# Altium PCB Fastino-DIOT.PCBDOC (part 15 of 22)
Units mm, origin at the board's own origin, x right, y up, seen from the top; angles counter-clockwise.
Board outline 222.63 x 100.1 mm, 8 copper layers (L1, L2, L3, P4, L5, L6, P7, L8), stack 1.563 mm thick; 1030 components, 787 nets, 3312 pads, 2498 vias.
Unrouted connection lines stored in the file: 424.
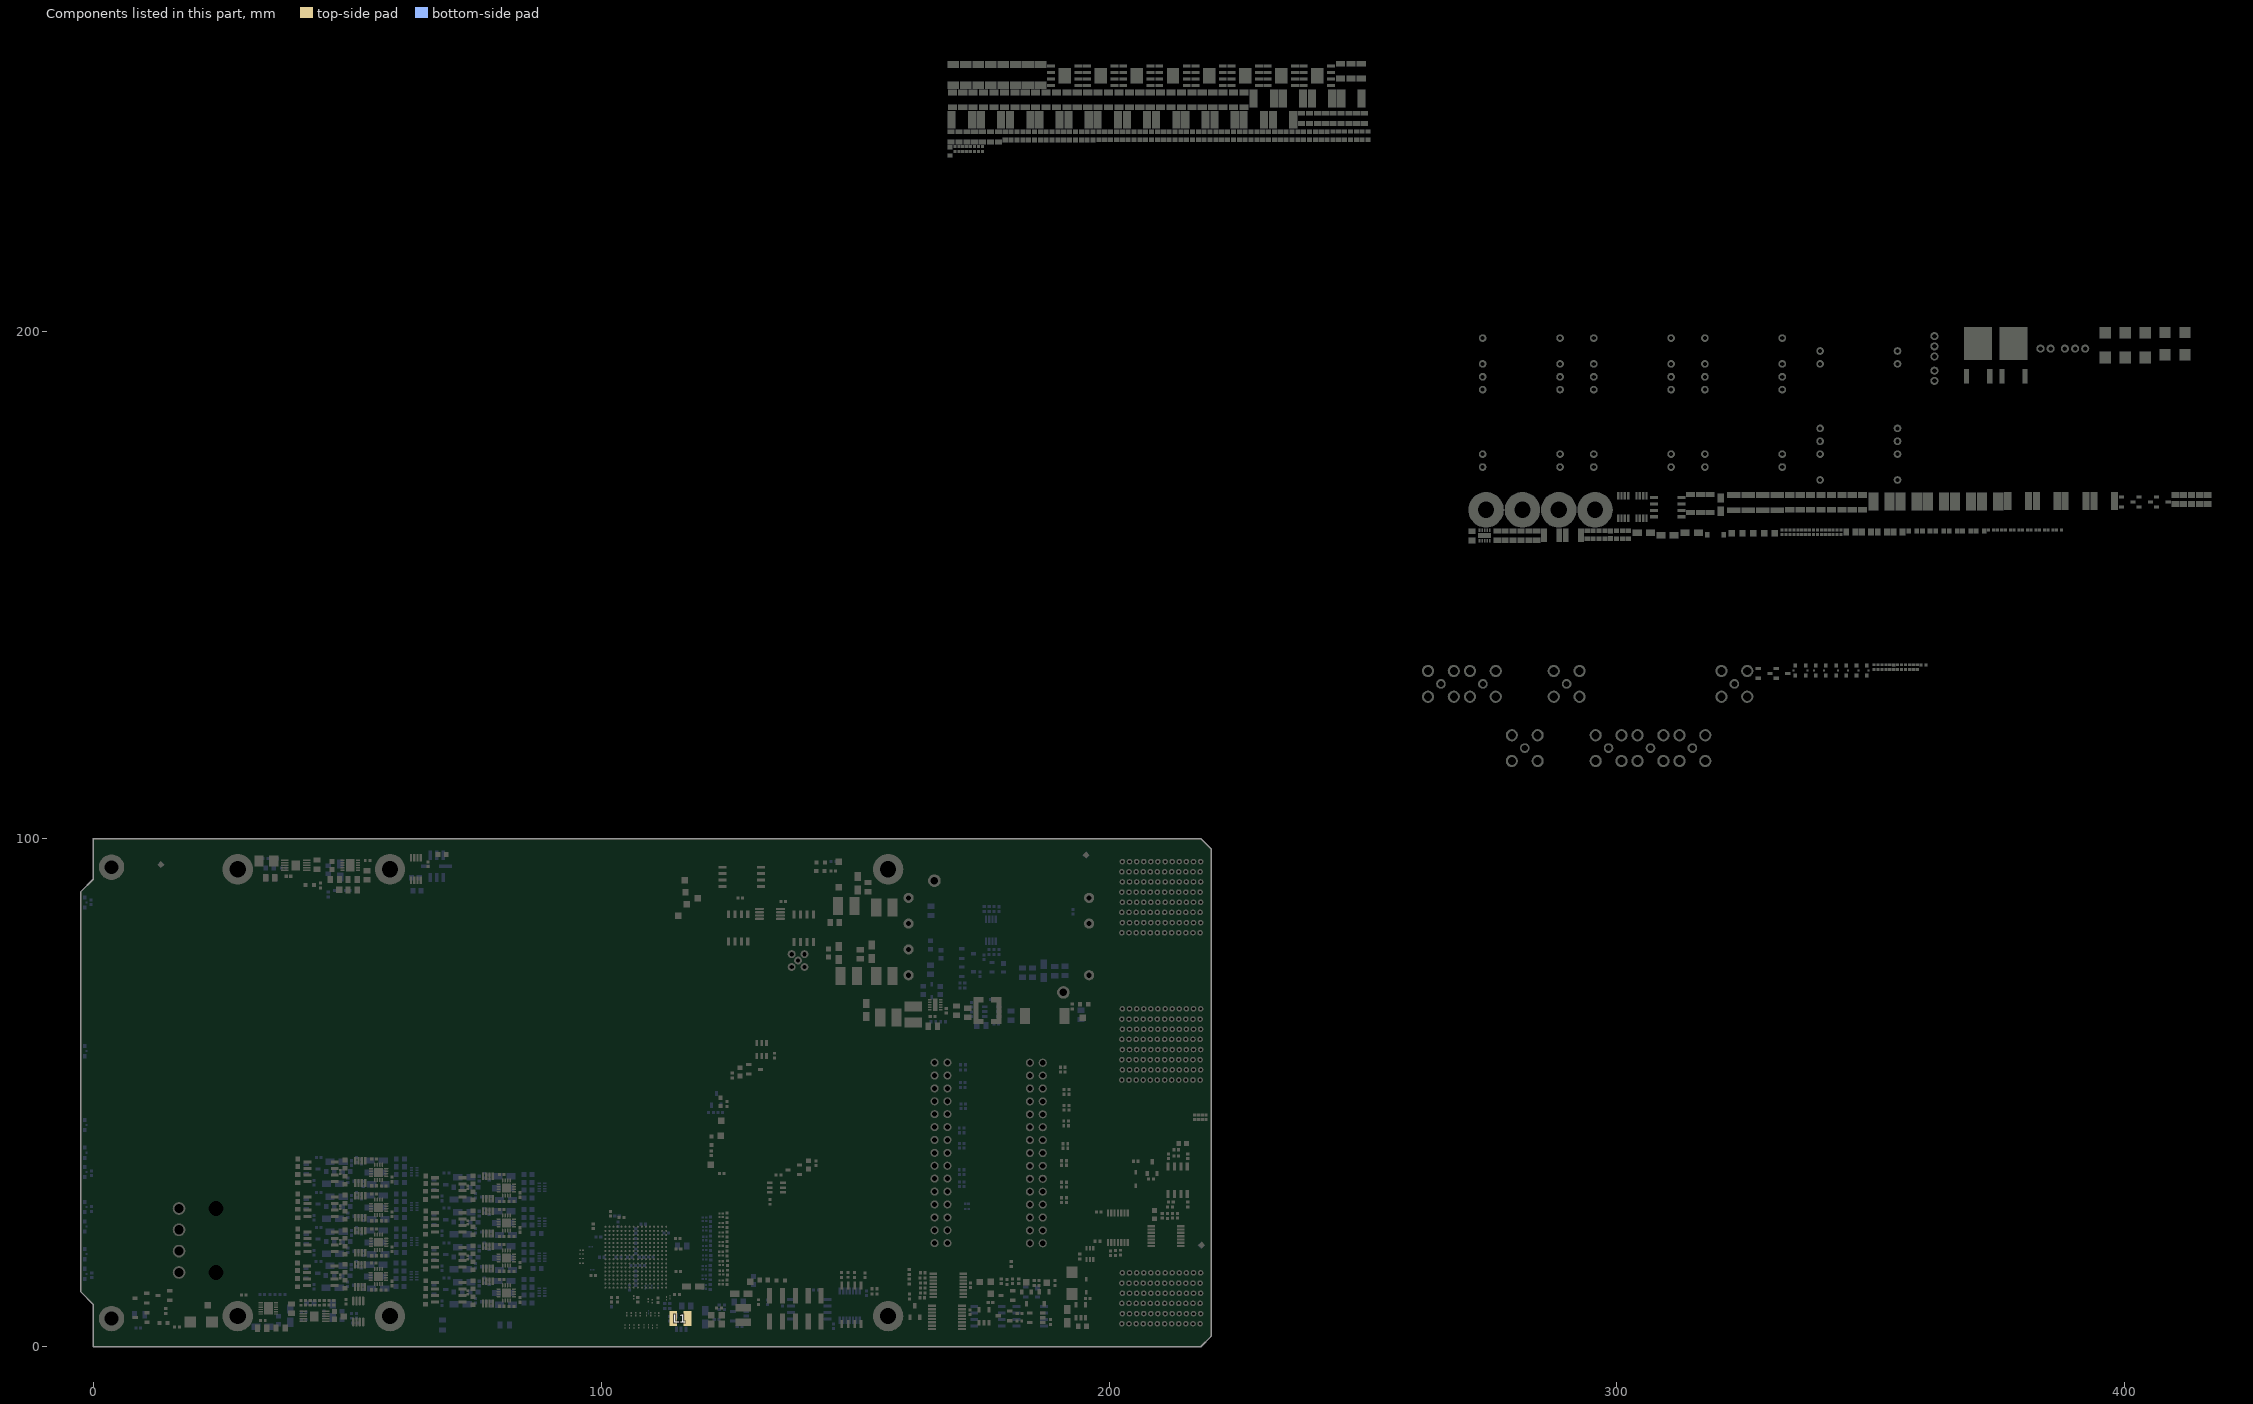
[diagram p21: the components of this part, seen from the top]

## Via types
v1: diameter 0.4, hole 0.2, L1 to L8, tented both sides, 1919 vias
v2: diameter 0.5, hole 0.2, L1 to L8, tented both sides, 270 vias
v3: diameter 0.4, hole 0.2, L1 to L8, 170 vias
v4: diameter 0.7, hole 0.4, L1 to L8, tented both sides, 110 vias
v5: diameter 0.7, hole 0.4, L1 to L8, 29 vias

## Nets (pads, with @x,y where several pads share a name; then routed paths per layer and width w, separated by ;. In a path a pad name is that pad's centre, name@x,y a point inside that pad or via, vN(x,y) a via of type N, cw(c..) or ccw(c..) an arc to the next point about the centre after c; other vN are vias at no path point) (continued)
copper on no net: (continued)
  L1 w0.127: 106.681,63.129 106.565,63.129 106.006,63.688 105.323,63.688 105.197,63.814 103.834,63.814 103.469,63.448 103.469,63.379 103.234,63.144 ; 106.681,70.015 106.565,70.015 106.006,70.574 105.323,70.574 105.197,70.7 103.834,70.7 103.469,70.335 103.469,70.265 103.234,70.031 ; 106.681,76.902 106.565,76.902 106.006,77.461 105.323,77.461 105.197,77.587 103.834,77.587 103.469,77.221 103.469,77.152 103.234,76.917 ; 106.681,83.789 106.565,83.789 106.006,84.347 105.323,84.347 105.197,84.473 103.834,84.473 103.469,84.108 103.469,84.038 103.234,83.804 ; 106.681,90.675 106.565,90.675 106.006,91.234 105.323,91.234 105.197,91.36 103.834,91.36 103.469,90.994 103.469,90.925 103.234,90.69 ; 106.91,34.468 107.974,35.532 v1(109.374,35.532) ; 106.91,41.354 107.974,42.418 v1(109.374,42.418) ; 106.91,48.241 107.974,49.305 v1(109.374,49.305) 115.22,49.305 120.447,44.078 120.447,31.623 ; 106.91,55.128 107.974,56.191 v1(109.374,56.191) ; 106.91,62.014 107.974,63.078 v1(109.374,63.078) ; 106.91,68.901 107.974,69.965 v1(109.374,69.965) ; 106.91,75.787 107.974,76.851 v1(109.374,76.851) ; 106.91,82.674 107.974,83.738 v1(109.374,83.738) ; 107.05,27.05 107.43,27.43 110.654,27.43 110.813,27.271 111.962,27.271 111.997,27.235 112.321,27.235 112.55,27.464 112.55,27.7 113.035,28.185 113.035,28.885 113.171,29.021 113.171,35.919 113.708,36.456 114.058,36.456 114.291,36.688 114.291,37.613 114.025,37.879 v1(114.025,37.9) ; 107.15,26.475 107.851,27.176 110.549,27.176 110.708,27.017 111.856,27.017 111.892,26.981 112.426,26.981 112.462,27.017 112.971,27.017 113.066,27.112 113.102,27.112 113.331,27.341 113.331,27.377 114.592,28.638 114.592,29.683 114.275,30 114.275,30.475 114.827,31.027 114.827,32.696 115.59,33.459 115.59,33.578 115.815,33.802 v1(115.815,33.876) ; 107.29,84.734 107.251,84.696 107.238,84.696 ; 107.726,71.43 107.726,71.41 ; 107.726,78.317 107.726,78.297 ; 107.726,85.204 107.726,85.184 ; 108.053,34.287 v1(109.374,34.287) ; 108.053,41.174 v1(109.374,41.174) ; 108.053,48.06 v1@109.344,48.06 ; 108.053,54.947 v1(109.374,54.947) ; 108.053,61.833 v1(109.374,61.833) ; 108.053,68.72 v1(109.374,68.72) ; 108.053,75.607 v1(109.374,75.607) ; 108.053,82.493 v1(109.374,82.493) ; 108.075,25.35 108.125,25.35 108.41,25.635 108.41,25.906 108.639,26.134 108.879,26.134 108.88,26.136 110.868,26.136 110.887,26.155 113.18,26.155 113.183,26.158 113.51,26.158 114.952,27.6 115.991,27.6 116.192,27.801 v1(116.781,27.801) ; 108.435,52.591 108.515,52.671 108.685,52.671 ; 108.435,59.478 108.515,59.558 108.685,59.558 ; 108.435,66.365 108.515,66.445 108.685,66.445 ; 108.435,73.251 108.515,73.331 108.685,73.331 ; 108.435,80.138 108.515,80.218 108.685,80.218 ; 108.435,87.024 108.515,87.104 108.685,87.104 ; 108.483,30.314 108.73,30.314 ; 108.483,37.201 108.73,37.201 ; 108.483,44.087 108.73,44.087 ; 108.483,50.974 108.73,50.974 ; 108.483,57.86 108.73,57.86 ; 108.483,64.747 108.73,64.747 ; 108.483,71.634 108.73,71.634 ; 108.483,78.52 108.73,78.52 ; 108.483,85.407 108.73,85.407 ; 108.612,33.5 108.657,33.545 v1@109.218,33.545 ; 108.612,40.386 108.657,40.431 v1@109.218,40.431 ; 108.612,47.273 108.657,47.318 v1@109.218,47.318 ; 108.612,54.159 108.657,54.204 v1@109.218,54.204 ; 108.612,61.046 108.657,61.091 v1@109.218,61.091 ; 108.612,67.933 108.657,67.978 v1@109.218,67.978 ; 108.612,74.819 108.657,74.864 v1@109.218,74.864 ; 108.612,81.706 108.657,81.751 v1@109.218,81.751 ; 108.625,26.45 108.685,26.39 110.737,26.39 110.756,26.409 112.739,26.409 112.742,26.412 113.084,26.412 113.276,26.604 113.312,26.604 113.839,27.13 113.839,27.166 114.526,27.854 115.886,27.854 116.824,28.793 116.824,29.822 117.706,30.704 117.706,32.629 118.24,33.163 118.24,33.166 118.469,33.395 118.472,33.395 118.653,33.576 118.653,42.383 113.636,47.4 v1(109.374,47.4) ; 108.685,33.512 108.718,33.479 ; 108.685,40.398 108.718,40.365 ; 108.685,47.285 108.718,47.252 ; 108.685,54.171 108.718,54.138 ; 108.685,61.058 108.718,61.025 ; 108.685,67.945 108.718,67.911 ; 108.685,74.831 108.718,74.798 ; 108.685,81.718 108.718,81.685 ; 108.764,32.534 109.005,32.534 v1@109.181,32.711 ; 108.764,39.421 109.005,39.421 109.181,39.597 109.321,39.597 v1(109.374,39.65) ; 108.764,46.308 109.005,46.308 v1@109.181,46.484 ; 108.764,53.194 109.005,53.194 v1@109.181,53.371 ; 108.764,60.081 109.005,60.081 109.181,60.257 109.321,60.257 v1(109.374,60.309) ; 108.764,66.967 109.005,66.967 v1@109.181,67.144 ; 108.764,73.854 109.005,73.854 109.181,74.03 109.321,74.03 v1(109.374,74.083) ; 108.764,80.741 109.005,80.741 v1@109.181,80.917 ; v1@109.322,48.082 v1@109.344,48.06 ; v1@109.372,42.393 109.398,42.418 113.614,42.418 v1@117.716,38.316 ; v1(109.374,46.536) 112.519,46.536 118.262,40.792 v1(118.262,36.225) ; v1@109.398,39.599 v1@109.449,39.65 ; v1@109.423,33.577 v1@109.423,33.63 ; v1@109.423,40.437 109.5,40.513 112.649,40.513 116.19,36.972 116.19,34.053 116.205,34.038 116.205,33.714 116.19,33.7 116.19,32.266 115.882,31.957 115.882,31.805 115.83,31.753 115.83,31.673 115.601,31.444 115.369,31.444 115.103,31.178 115.103,30.053 114.909,29.859 114.909,28.596 113.585,27.271 113.585,27.236 113.207,26.858 113.171,26.858 113.076,26.763 112.567,26.763 112.531,26.727 111.787,26.727 111.751,26.763 110.174,26.763 v1(110.156,26.781) ; v1@109.463,35.442 v1@109.463,35.447 ; v1@109.499,41.148 109.499,41.173 113.208,41.174 117,37.381 117,32.578 116.936,32.515 116.936,32.126 v1(116.89,32.08) ; v1@109.68,30.326 v1(109.794,30.212) ; 109.695,30.697 109.695,30.964 ; v1(109.695,37.226) 109.695,37.85 ; v1(109.695,44.113) 109.695,44.737 ; v1(109.695,50.999) 109.695,51.623 ; v1(109.695,57.886) 109.695,58.51 ; v1(109.695,64.772) 109.695,65.396 ; v1(109.695,71.659) 109.695,72.283 ; v1(109.695,78.546) 109.695,79.17 ; v1(109.695,85.432) 109.695,86.056 ; 110.25,25.8 110.891,25.8 110.978,25.887 113.271,25.887 113.288,25.904 113.808,25.904 v1(114.906,27.001) ; 110.6,25.2 110.65,25.2 110.662,25.212 111.083,25.633 113.376,25.633 113.393,25.65 114.107,25.65 115.296,26.84 115.296,26.943 115.456,27.102 v1(115.456,27.176) ; v1(112.159,27.626) 112.159,27.697 112.781,28.319 112.781,29.606 112.917,29.742 112.917,36.025 113.69,36.798 113.848,36.798 v1(113.9,36.85) ; v1(112.94,27.503) 112.94,27.538 113.486,28.085 113.587,28.085 114.338,28.836 114.338,29.578 114.021,29.895 114.021,35.044 v1(114.381,35.403) ; v1(113.425,28.475) 113.557,28.607 113.557,35.753 v1(113.869,36.066) ; v1(114.436,31.189) 114.436,34.532 v1(115.181,35.277) ; 118.025,27.65 118.025,28.173 118.095,28.244 118.095,29.302 118.09,29.307 118.09,29.709 118.334,29.953 118.334,32.705 118.631,33.002 v1(118.631,33.004) ; 118.775,27.925 118.775,28.238 118.871,28.334 118.871,32.129 v1(118.825,32.175) ; v1(119.25,38.425) 119.25,30.305 119.671,29.884 119.671,29.375 119.575,29.279 119.575,28.6 119.623,28.552 119.623,28.269 119.742,28.15 119.742,27.867 119.575,27.7 119.575,27.4 ; 119.659,31.674 119.675,31.69 119.675,43.418 115.033,48.06 v1(109.374,48.06) v1@109.344,48.06 ; 55.252,38.126 55.342,38.036 ; 55.252,38.126 55.342,38.036 ; 55.278,45.058 55.368,44.968 ; 55.278,45.058 55.368,44.968 ; 55.278,51.945 55.368,51.855 ; 55.278,51.945 55.368,51.855 ; 55.278,58.831 55.368,58.742 ; 55.278,58.831 55.368,58.742 ; 55.278,65.718 55.368,65.628 ; 55.278,65.718 55.368,65.628 ; 55.278,72.605 55.368,72.515 ; 55.278,72.605 55.368,72.515 ; 55.278,79.491 55.368,79.401 ; 55.278,79.491 55.368,79.401 ; 55.342,38.036 56.212,38.036 ; 55.368,44.968 56.238,44.968 ; 55.368,51.855 56.238,51.855 ; 55.368,58.742 56.238,58.742 ; 55.368,65.628 56.238,65.628 ; 55.368,72.515 56.238,72.515 ; 55.368,79.401 56.238,79.401 ; 56.212,38.036 56.7,38.524 ; 56.212,38.036 56.7,38.524 ; 56.238,44.968 56.726,45.456 ; 56.238,44.968 56.726,45.456 ; 56.238,51.855 56.726,52.343 ; 56.238,51.855 56.726,52.343 ; 56.238,58.742 56.726,59.23 ; 56.238,58.742 56.726,59.23 ; 56.238,65.628 56.726,66.116 ; 56.238,65.628 56.726,66.116 ; 56.238,72.515 56.726,73.003 ; 56.238,72.515 56.726,73.003 ; 56.238,79.401 56.726,79.889 ; 56.238,79.401 56.726,79.889 ; 80.403,35.053 80.493,34.963 ; 80.403,35.053 80.493,34.963 ; 80.403,35.053 80.493,34.963 ; 80.403,41.94 80.493,41.85 ; 80.403,41.94 80.493,41.85 ; 80.403,41.94 80.493,41.85 ; 80.403,48.826 80.493,48.736 ; 80.403,48.826 80.493,48.736 ; 80.403,48.826 80.493,48.736 ; 80.403,55.713 80.493,55.623 ; 80.403,55.713 80.493,55.623 ; 80.403,55.713 80.493,55.623 ; 80.403,62.599 80.493,62.51 ; 80.403,62.599 80.493,62.51 ; 80.403,62.599 80.493,62.51 ; 80.403,69.469 80.492,69.379 ; 80.403,69.469 80.492,69.379 ; 80.403,69.469 80.492,69.379 ; 80.403,76.355 80.492,76.265 ; 80.403,76.355 80.492,76.265 ; 80.403,76.355 80.492,76.265 ; 80.403,83.242 80.492,83.152 ; 80.403,83.242 80.492,83.152 ; 80.493,34.963 81.363,34.963 ; 80.493,41.85 81.363,41.85 ; 80.493,48.736 81.363,48.736 ; 80.493,55.623 81.363,55.623 ; 80.493,62.51 81.363,62.51 ; 80.492,69.379 81.363,69.379 ; 80.492,76.265 81.363,76.265 ; 80.492,83.152 81.363,83.152 ; 81.363,34.963 81.851,35.451 ; 81.363,34.963 81.851,35.451 ; 81.363,34.963 81.851,35.451 ; 81.363,41.85 81.851,42.338 ; 81.363,41.85 81.851,42.338 ; 81.363,41.85 81.851,42.338 ; 81.363,48.736 81.851,49.224 ; 81.363,48.736 81.851,49.224 ; 81.363,48.736 81.851,49.224 ; 81.363,55.623 81.851,56.111 ; 81.363,55.623 81.851,56.111 ; 81.363,55.623 81.851,56.111 ; 81.363,62.51 81.851,62.998 ; 81.363,62.51 81.851,62.998 ; 81.363,62.51 81.851,62.998 ; 81.363,69.379 81.851,69.867 ; 81.363,69.379 81.851,69.867 ; 81.363,69.379 81.851,69.867 ; 81.363,76.265 81.851,76.753 ; 81.363,76.265 81.851,76.753 ; 81.363,76.265 81.851,76.753 ; 81.363,83.152 81.851,83.64 ; 81.363,83.152 81.851,83.64 ; 106.278,71.012 106.368,70.922 ; 106.278,71.012 106.368,70.922 ; 106.278,77.899 106.368,77.809 ; 106.278,77.899 106.368,77.809 ; 106.278,84.785 106.368,84.696 ; 106.278,84.785 106.368,84.696 ; 106.368,70.922 107.238,70.922 ; 106.368,77.809 107.238,77.809 ; 106.368,84.696 107.238,84.696 ; 107.238,70.922 107.726,71.41 ; 107.238,70.922 107.726,71.41 ; 107.238,77.809 107.726,78.297 ; 107.238,77.809 107.726,78.297 ; 107.238,84.696 107.726,85.184 ; 107.238,84.696 107.726,85.184
  L1 w0.152: v1(7.788,39.588) 7.855,39.588 7.943,39.5 15.6,39.5 ; v1(8.067,61.322) 8.114,61.369 8.362,61.369 8.492,61.5 18.11,61.5 ; v1(9.169,19.599) 9.236,19.599 9.336,19.5 15.6,19.5 ; v1(9.83,81.407) 10.389,81.407 10.516,81.534 10.55,81.5 18.11,81.5 ; v1(10.074,59.382) 10.566,59.382 10.579,59.369 11.48,59.369 11.61,59.5 15.6,59.5 ; v1(10.074,60.944) 10.541,60.944 10.785,60.7 12.577,60.7 12.584,60.694 12.918,60.694 12.924,60.7 18.11,60.7 ; v1(10.389,81.001) 11.153,81.001 11.252,81.1 15.6,81.1 ; v1(11.643,79.477) 11.654,79.488 15.588,79.488 15.6,79.5 ; v1(11.643,80.629) 11.655,80.642 12.089,80.642 12.148,80.7 18.11,80.7 ; v1(11.962,40.709) 11.972,40.7 18.11,40.7 ; v1(11.989,82.293) 12.008,82.312 12.417,82.312 12.449,82.344 12.791,82.344 12.834,82.3 14.259,82.3 14.286,82.274 14.62,82.274 14.646,82.3 18.11,82.3 ; v1(12.751,61.097) 12.752,61.098 15.598,61.098 15.6,61.1 ; v1(12.962,65.337) 12.915,65.385 12.915,65.571 12.679,65.808 12.679,66.82 12.814,66.956 12.814,72.936 14.158,74.28 14.158,74.985 14.426,75.252 14.687,75.252 14.776,75.342 14.776,75.348 14.928,75.5 15.6,75.5 ; 13.16,65.757 12.983,65.934 12.983,66.694 13.119,66.829 13.119,72.809 14.463,74.153 14.463,74.858 14.552,74.948 14.687,74.948 14.776,74.858 14.776,74.852 14.928,74.7 15.6,74.7 ; v1(13.494,62.756) 13.494,62.823 13.618,62.947 13.618,63.242 12.831,64.029 12.831,64.157 11.909,65.079 11.731,65.257 11.731,75.616 13.768,77.652 14.687,77.652 14.776,77.742 14.776,77.748 14.928,77.9 15.6,77.9 ; v1(14.021,62.738) 14.021,62.805 13.923,62.903 13.923,63.368 13.136,64.155 13.136,64.283 12.036,65.384 12.036,75.489 13.894,77.348 14.687,77.348 14.776,77.258 14.776,77.252 14.928,77.1 15.6,77.1 ; v1(14.097,44.87) 14.03,44.87 13.919,44.981 13.668,44.981 13.579,44.892 13.579,44.418 13.945,44.052 14.687,44.052 14.776,44.142 14.776,44.148 14.928,44.3 15.6,44.3 ; v1(14.097,45.397) 14.03,45.397 13.919,45.286 13.542,45.286 13.274,45.018 13.274,44.292 13.818,43.748 14.687,43.748 14.776,43.658 14.776,43.652 14.928,43.5 15.6,43.5 ; v1(14.199,37.236) 14.266,37.236 14.377,37.348 14.687,37.348 14.776,37.258 14.776,37.252 14.928,37.1 15.6,37.1 ; v1(14.224,83.637) 14.271,83.684 14.488,83.684 14.552,83.748 14.687,83.748 14.776,83.658 14.776,83.652 14.928,83.5 15.6,83.5 ; v1(14.224,84.163) 14.271,84.116 14.488,84.116 14.552,84.052 14.687,84.052 14.776,84.142 14.776,84.148 14.928,84.3 15.6,84.3 ; v1(14.326,57.236) 14.393,57.236 14.504,57.348 14.754,57.348 14.776,57.326 14.776,57.252 14.928,57.1 15.6,57.1 ; v1(14.326,57.763) 14.393,57.763 14.504,57.652 14.754,57.652 14.776,57.674 14.776,57.748 14.928,57.9 15.6,57.9 ; v1(14.351,63.636) 14.418,63.636 14.517,63.538 15.562,63.538 15.6,63.5 ; v1(14.351,64.163) 14.418,64.163 14.517,64.262 15.562,64.262 15.6,64.3 ; 14.377,37.652 14.687,37.652 14.776,37.742 14.776,37.748 14.928,37.9 15.6,37.9 ; 15.6,34.7 14.928,34.7 14.776,34.852 14.776,34.858 14.687,34.948 14.552,34.948 14.322,34.717 14.322,33.611 14.452,33.48 17.033,33.48 17.074,33.522 19.375,33.522 20.549,34.696 20.549,38.048 21.313,38.813 27.808,38.813 29.358,37.262 29.358,22.622 32.183,19.797 32.183,16.924 33.257,15.85 34.565,15.85 35.415,15 35.415,14.555 35.504,14.466 36.532,14.466 ; 15.6,35.5 14.928,35.5 14.776,35.348 14.776,35.342 14.687,35.252 14.426,35.252 14.017,34.844 14.017,33.485 14.326,33.176 17.123,33.176 17.164,33.217 19.501,33.217 20.853,34.569 20.853,37.922 21.439,38.508 27.681,38.508 29.054,37.136 29.054,22.495 31.878,19.671 31.878,16.798 33.131,15.545 34.439,15.545 35.11,14.874 35.11,14.555 35.021,14.466 33.992,14.466 ; 15.6,45.9 14.928,45.9 14.776,46.052 14.776,46.058 14.687,46.148 14.051,46.148 13.31,46.889 13.31,47.573 14.319,48.583 20.809,48.583 21.056,48.336 28.39,48.336 29.181,47.545 31.555,45.171 ; 15.6,46.7 14.928,46.7 14.776,46.548 14.776,46.542 14.687,46.452 14.177,46.452 13.614,47.015 13.614,47.447 14.445,48.278 20.683,48.278 20.93,48.031 28.263,48.031 31.34,44.955 31.34,40.002 32.914,38.427 34.75,38.427 34.916,38.261 34.916,38.25 33.992,37.326 ; 15.6,54.7 14.928,54.7 14.776,54.852 14.776,54.858 14.687,54.948 14.552,54.948 14.236,54.632 14.236,53.455 14.63,53.061 26.899,53.061 30.688,56.85 34.495,56.85 35.415,55.929 35.415,55.555 35.504,55.466 36.532,55.466 ; 15.6,55.5 14.928,55.5 14.776,55.348 14.776,55.342 14.687,55.252 14.426,55.252 13.932,54.758 13.932,53.328 14.021,53.239 14.504,52.756 27.026,52.756 30.815,56.545 34.077,56.545 34.369,56.545 35.11,55.803 35.11,55.555 35.021,55.466 33.992,55.466 ; 15.6,65.9 14.928,65.9 14.776,66.052 14.776,66.058 14.687,66.148 14.426,66.148 14.158,66.415 14.158,67.749 16.005,69.596 25.933,69.596 28.495,72.157 28.495,76.676 29.02,77.202 31.593,79.774 31.682,79.863 33.13,79.863 33.18,79.813 34.429,79.813 34.479,79.863 34.923,79.863 35.415,79.371 35.415,79.245 36.334,78.326 36.532,78.326 ; 15.6,66.7 14.928,66.7 14.776,66.548 14.776,66.542 14.687,66.452 14.552,66.452 14.463,66.542 14.463,67.622 16.131,69.291 26.06,69.291 28.8,72.031 28.8,76.55 31.808,79.558 33.004,79.558 33.054,79.508 34.555,79.508 34.605,79.558 34.797,79.558 35,79.355 35,79.135 34.191,78.326 33.992,78.326 ; 15.6,85.9 14.928,85.9 14.776,86.052 14.776,86.058 14.687,86.148 13.345,86.148 12.815,86.678 12.636,86.856 12.636,87.361 12.725,87.451 12.725,88.391 13.26,88.925 18.998,88.925 20.269,87.655 20.269,81.337 21.794,79.813 22.7,79.813 23.652,78.86 23.652,78.415 23.742,78.326 24.77,78.326 ; 15.6,86.7 14.928,86.7 14.776,86.548 14.776,86.542 14.687,86.452 13.471,86.452 12.941,86.983 12.941,87.235 13.03,87.324 13.03,88.265 13.386,88.621 18.872,88.621 19.126,88.367 19.964,87.528 19.964,81.211 21.667,79.508 22.573,79.508 23.348,78.734 23.348,78.415 23.258,78.326 22.23,78.326 ; 18.11,15.1 18.782,15.1 18.934,15.252 18.934,15.258 19.023,15.348 19.284,15.348 20.094,16.157 20.094,16.234 21.151,17.291 21.151,17.453 21.783,18.085 22.877,18.085 23.113,18.321 23.24,18.321 23.329,18.232 23.329,18.105 22.23,17.006 ; 18.11,35.1 18.888,35.1 19.076,35.287 19.541,35.287 v1(19.572,35.318) ; 18.11,35.9 18.148,35.862 18.96,35.862 19.132,35.69 v1(19.199,35.69) ; 18.11,37.5 18.782,37.5 18.934,37.652 18.934,37.658 19.023,37.748 19.38,37.748 19.491,37.636 v1(19.558,37.636) ; 18.11,38.3 18.782,38.3 18.934,38.148 18.934,38.142 19.023,38.052 19.38,38.052 19.491,38.163 v1(19.558,38.163) ; 18.11,43.9 18.13,43.92 19.355,43.92 19.466,43.809 v1(19.533,43.809) ; 18.11,44.7 18.758,44.7 18.85,44.609 18.85,44.449 19.073,44.225 19.355,44.225 19.466,44.336 v1(19.533,44.336) ; 18.11,46.3 18.782,46.3 18.934,46.452 18.934,46.458 19.023,46.548 19.318,46.548 19.652,46.881 19.778,46.881 v1(19.784,46.875) ; 18.11,47.1 18.782,47.1 18.934,46.948 18.934,46.942 19.023,46.852 19.192,46.852 19.436,47.097 19.436,47.169 19.686,47.419 v1(19.686,47.486) ; 18.11,55.1 18.782,55.1 18.934,55.252 18.934,55.258 19.023,55.348 19.589,55.348 20.136,55.895 v1(20.136,55.931) ; 18.11,55.9 18.782,55.9 18.934,55.748 18.934,55.742 19.023,55.652 19.462,55.652 19.462,55.76 ; 18.11,57.5 18.782,57.5 18.934,57.652 18.934,57.658 19.023,57.748 19.158,57.748 19.338,57.568 19.338,57.523 19.444,57.417 20.676,56.186 20.676,54.432 ; 18.11,58.3 18.782,58.3 18.934,58.148 18.934,58.142 19.023,58.052 19.284,58.052 19.643,57.694 19.643,57.65 20.98,56.312 20.98,54.432 ; 18.11,63.9 18.782,63.9 18.934,64.052 18.934,64.058 19.023,64.148 19.215,64.148 19.939,63.424 21.635,61.728 26.015,61.728 v1@31.214,66.927 ; 18.11,64.7 18.782,64.7 18.934,64.548 18.934,64.542 19.023,64.452 19.341,64.452 21.761,62.033 25.889,62.033 30.998,67.143 30.998,67.256 v1(31.347,67.604) ; 18.11,66.3 18.782,66.3 18.934,66.452 18.934,66.458 19.023,66.548 21.662,66.548 21.794,66.679 25.226,66.679 30.683,72.137 30.683,73.268 30.591,73.36 30.591,73.615 30.902,73.926 31.059,73.926 v1(31.107,73.973) ; 18.11,67.1 18.782,67.1 18.934,66.948 18.934,66.942 19.023,66.852 21.536,66.852 21.667,66.984 25.1,66.984 30.378,72.263 30.378,73.141 30.286,73.233 30.286,73.741 30.687,74.141 30.687,74.298 v1(30.734,74.346) ; 18.11,75.1 18.782,75.1 18.934,75.252 18.934,75.258 19.023,75.348 19.839,75.348 20.759,74.428 22.792,74.428 22.795,74.431 24.205,74.431 24.207,74.428 26.65,74.428 27.61,75.388 27.61,78.995 29.311,80.696 30.664,80.696 30.751,80.783 31.132,80.783 v1(31.18,80.831) ; 18.11,75.9 18.782,75.9 18.934,75.748 18.934,75.742 19.023,75.652 19.965,75.652 20.885,74.733 22.666,74.733 22.669,74.736 24.331,74.736 24.334,74.733 26.524,74.733 27.305,75.514 27.305,79.121 29.185,81.001 30.537,81.001 30.74,81.203 v1(30.807,81.203) ; 18.11,83.9 18.888,83.9 18.978,83.989 19.257,83.989 v1(19.304,84.036) ; 18.11,84.7 18.888,84.7 18.978,84.611 19.257,84.611 v1(19.304,84.563) ; 18.11,86.3 18.888,86.3 18.978,86.389 19.307,86.389 v1(19.355,86.436) ; 18.11,87.1 18.888,87.1 18.978,87.011 19.307,87.011 v1(19.355,86.963) ; v1(19.784,45.513) 19.851,45.513 19.963,45.624 21.418,45.624 22.24,46.445 25.107,46.445 29.972,41.581 29.972,39.65 31.975,37.648 31.975,32.078 33.029,31.024 33.268,30.785 34.439,30.785 35.11,30.114 35.11,29.795 35.021,29.706 33.992,29.706 35.046,28.653 37.212,28.653 38.856,30.297 v1(38.856,31.267) ; v1(19.784,46.04) 19.851,46.04 19.963,45.929 21.292,45.929 22.113,46.75 25.234,46.75 25.323,46.661 30.277,41.707 30.277,39.776 32.279,37.774 32.279,32.204 33.394,31.09 34.565,31.09 35.415,30.24 35.415,29.795 35.504,29.706 36.532,29.706 37.834,29.706 38.329,30.201 v1(38.329,31.267) ; v1(19.888,58.293) 19.936,58.34 20.093,58.34 20.448,58.696 20.999,58.696 21.667,59.364 25.888,59.364 31.097,64.573 34.429,64.573 34.479,64.623 34.923,64.623 35.013,64.534 35.415,64.131 35.415,64.005 36.334,63.086 ; v1(19.968,41.779) 19.968,41.314 20.348,40.935 22.435,40.935 22.548,41.048 27.227,41.048 28.219,40.056 28.219,39.295 30.505,37.009 30.505,25.8 32.864,23.441 33.141,23.165 34.439,23.165 35.11,22.494 35.11,22.175 35.021,22.086 33.992,22.086 ; v1(20.168,64.878) 20.235,64.878 20.346,64.989 20.596,64.989 20.685,64.9 20.685,64.625 20.953,64.358 21.089,64.222 26.07,64.222 29.718,67.87 29.718,69.037 32.56,71.879 35.023,71.879 35.11,71.792 35.11,71.625 34.191,70.706 33.992,70.706 ; v1(20.168,65.405) 20.235,65.405 20.346,65.294 20.722,65.294 20.99,65.026 20.99,64.752 21.216,64.526 25.944,64.526 29.413,67.996 29.413,69.163 32.434,72.184 35.149,72.184 35.238,72.095 35.415,71.918 35.415,71.625 36.334,70.706 36.532,70.706 ; v1(20.261,57.92) 20.308,57.968 20.308,58.125 20.575,58.391 21.126,58.391 21.794,59.059 26.014,59.059 31.223,64.268 34.555,64.268 34.605,64.318 34.797,64.318 34.915,64.2 34.915,63.81 34.191,63.086 ; v1(20.517,41.758) 20.517,41.691 20.385,41.559 20.385,41.329 20.474,41.24 22.309,41.24 22.422,41.353 27.353,41.353 28.524,40.182 28.524,39.421 30.81,37.135 30.81,25.927 33.267,23.47 34.565,23.47 35.415,22.62 35.415,22.175 35.504,22.086 36.532,22.086 ; 31.555,45.171 31.644,45.081 31.644,40.128 33.041,38.732 35.126,38.732 36.109,37.75 ; 33.992,17.006 35.307,18.32 35.307,19.81 36.325,20.828 37.846,20.828 38.163,21.146 38.163,23.255 38.405,23.497 38.405,25.302 38.228,25.48 38.071,25.48 v1(38.024,25.527) ; 33.992,39.866 35.092,40.965 35.092,41.092 34.913,41.27 34.913,41.837 35.046,41.97 35.046,42.842 35.001,42.887 35.001,43.306 35.638,43.943 36.046,43.943 36.096,43.893 36.969,43.893 38.1,45.024 38.1,51.384 ; 33.992,63.086 35.021,63.086 35.11,62.997 35.11,62.478 35.84,61.747 37.887,61.747 v1(37.998,61.636) ; 35.327,38.531 36.109,37.75 ; 36.532,19.546 37.509,20.523 37.972,20.523 38.379,20.93 38.468,21.019 38.468,23.129 38.71,23.371 38.71,25.429 38.444,25.695 38.444,25.852 v1(38.396,25.9) ; 36.532,37.326 36.109,37.75 ; 36.532,42.406 35.433,41.307 35.307,41.307 35.218,41.396 35.218,41.711 35.35,41.844 35.35,42.969 35.306,43.013 35.306,43.18 35.764,43.638 35.92,43.638 35.97,43.588 37.095,43.588 38.405,44.898 38.405,51.384 ; 36.532,63.086 35.504,63.086 35.415,62.997 35.415,62.604 35.966,62.052 37.887,62.052 v1(37.998,62.163) ; 40.255,59.885 40.628,60.259 40.856,60.259 41.457,60.86 43.211,60.86 43.353,61.002 43.353,62.35 43.87,62.867 44.81,62.867 44.973,62.704 v2@44.973,62.406 ; 40.255,66.771 40.628,67.145 40.856,67.145 41.457,67.747 43.211,67.747 43.353,67.889 43.353,69.237 43.87,69.754 44.81,69.754 44.973,69.591 v2@44.973,69.292 ; 40.255,73.658 40.628,74.032 40.856,74.032 41.457,74.634 43.211,74.634 43.353,74.775 43.353,76.123 43.87,76.64 44.81,76.64 44.973,76.478 v2@44.973,76.179 ; 40.538,53.365 40.545,53.372 40.856,53.372 41.457,53.974 43.211,53.974 43.353,54.116 43.353,55.464 43.87,55.98 44.81,55.98 44.973,55.818 v2@44.973,55.519 ; 40.564,80.747 40.564,80.804 41.28,81.52 43.211,81.52 43.353,81.662 43.353,83.01 43.87,83.527 44.81,83.527 44.973,83.364 44.973,83.066 v2@44.994,83.044 ; 40.589,39.548 40.594,39.553 40.823,39.553 41.425,40.155 43.185,40.155 43.327,40.296 43.327,41.644 43.844,42.161 44.784,42.161 44.946,41.999 44.946,41.7 v2@44.968,41.679 ; 40.716,46.482 40.843,46.482 41.448,47.087 43.211,47.087 43.353,47.229 43.353,48.577 43.87,49.094 44.81,49.094 44.973,48.931 v2@44.973,48.633 ; v2@44.948,41.614 v2(45.013,41.679) ; v2@44.974,55.433 v2(45.039,55.498) ; v2@44.974,62.32 v2(45.039,62.384) ; v2@44.974,69.207 v2(45.039,69.271) ; v2@44.974,76.093 v2(45.039,76.158) ; v2@44.974,82.98 v2(45.039,83.044) ; 53.42,43.203 53.359,43.142 53.359,42.595 53.347,42.582 53.068,42.303 53.068,41.922 52.636,41.49 52.636,41.156 52.991,40.8 53.076,40.8 53.936,39.94 53.936,39.448 54.841,38.544 ; 53.446,50.135 53.385,50.074 53.385,49.527 53.373,49.514 53.094,49.235 53.094,48.854 52.662,48.423 52.662,48.089 53.017,47.733 53.102,47.733 53.962,46.872 53.962,46.381 54.867,45.476 ; 53.446,57.022 53.385,56.961 53.385,56.414 53.373,56.401 53.094,56.122 53.094,55.741 52.662,55.309 52.662,54.975 53.017,54.62 53.102,54.62 53.962,53.759 53.962,53.268 54.867,52.363 ; 53.446,63.908 53.385,63.848 53.385,63.3 53.373,63.288 53.094,63.009 53.094,62.628 52.662,62.196 52.662,61.862 53.017,61.506 53.102,61.506 53.962,60.646 53.962,60.154 54.867,59.25 ; 53.446,70.795 53.385,70.734 53.385,70.187 53.373,70.174 53.094,69.895 53.094,69.514 52.662,69.082 52.662,68.748 53.017,68.393 53.102,68.393 53.962,67.532 53.962,67.041 54.867,66.136 ; 53.446,77.682 53.385,77.621 53.385,77.073 53.373,77.061 53.094,76.782 53.094,76.401 52.662,75.969 52.662,75.635 53.017,75.279 53.102,75.279 53.962,74.419 53.962,73.927 54.867,73.023 ; 53.446,84.568 53.385,84.507 53.385,83.96 53.373,83.947 53.094,83.668 53.094,83.287 52.662,82.856 52.662,82.522 53.017,82.166 53.102,82.166 53.962,81.305 53.962,80.814 54.867,79.909 ; 55.409,39.475 55.409,39.445 55.767,39.087 57.117,39.087 57.457,38.747 57.484,38.72 57.484,38.681 ; 55.435,46.408 55.435,46.377 55.793,46.02 57.143,46.02 57.483,45.68 57.51,45.653 57.51,45.614 ; 55.435,53.294 55.435,53.264 55.793,52.906 57.143,52.906 57.483,52.566 57.51,52.539 57.51,52.501 ; 55.435,60.181 55.435,60.15 55.793,59.793 57.143,59.793 57.483,59.453 57.51,59.426 57.51,59.387 ; 55.435,67.067 55.435,67.037 55.793,66.68 57.143,66.68 57.483,66.339 57.51,66.313 57.51,66.274 ; 55.435,73.954 55.435,73.924 55.793,73.566 57.143,73.566 57.483,73.226 57.51,73.199 57.51,73.16 ; 55.435,80.841 55.435,80.81 55.793,80.453 57.143,80.453 57.483,80.113 57.51,80.086 57.51,80.047 ; 65.43,35.852 65.48,35.852 66.259,36.631 66.259,36.677 66.664,37.082 68.336,37.082 68.478,37.224 68.478,38.572 68.995,39.088 69.935,39.088 70.098,38.926 v2@70.098,38.627 ; 65.43,49.626 65.48,49.626 66.3,50.445 66.3,50.499 66.582,50.781 66.582,50.855 68.336,50.855 68.478,50.997 68.478,52.345 68.995,52.862 69.935,52.862 70.098,52.699 v2@70.098,52.4 ; 65.532,84.226 65.666,84.226 66.268,84.829 66.268,84.861 66.682,85.275 68.341,85.275 68.478,85.413 68.478,86.76 68.995,87.277 69.935,87.277 70.097,87.115 v2@70.097,86.816 ; 65.583,70.536 65.748,70.536 66.266,71.054 66.266,71.086 66.678,71.497 68.336,71.497 68.478,71.639 68.478,72.987 68.995,73.504 69.935,73.504 70.097,73.342 v2@70.097,73.043 ; 65.634,43.028 65.769,43.028 66.266,43.525 66.266,43.557 66.678,43.968 68.336,43.968 68.478,44.11 68.478,45.458 68.995,45.975 69.935,45.975 70.098,45.813 v2@70.098,45.514 ; 65.71,77.343 65.71,77.384 66.136,77.811 66.136,77.843 66.678,78.384 68.336,78.384 68.478,78.526 68.478,79.874 68.995,80.391 69.935,80.391 70.097,80.228 v2@70.097,79.929 ; 65.761,56.82 65.788,56.82 66.137,57.168 66.137,57.2 66.678,57.742 68.336,57.742 68.478,57.884 68.478,59.231 68.995,59.748 69.935,59.748 70.098,59.586 v2@70.098,59.287 ; 65.811,63.576 65.811,63.73 66.266,64.184 66.266,64.216 66.678,64.628 68.336,64.628 68.478,64.77 68.478,66.118 68.995,66.635 69.935,66.635 70.098,66.472 v2@70.098,66.174 ; 78.571,40.13 78.51,40.069 78.51,39.522 78.498,39.509 78.219,39.23 78.219,38.849 77.787,38.417 77.787,38.083 78.142,37.728 78.227,37.728 79.087,36.867 79.087,36.376 79.992,35.471 ; 78.571,47.016 78.51,46.956 78.51,46.408 78.498,46.396 78.219,46.117 78.219,45.736 77.787,45.304 77.787,44.97 78.142,44.614 78.227,44.614 79.087,43.754 79.087,43.262 79.992,42.358 ; 78.571,53.903 78.51,53.842 78.51,53.295 78.498,53.282 78.219,53.003 78.219,52.622 77.787,52.19 77.787,51.856 78.142,51.501 78.227,51.501 79.087,50.64 79.087,50.149 79.992,49.244 ; 78.571,60.79 78.51,60.729 78.51,60.182 78.498,60.169 78.219,59.89 78.219,59.509 77.787,59.077 77.787,58.743 78.142,58.387 78.227,58.387 79.087,57.527 79.087,57.035 79.992,56.131 ; 78.571,67.676 78.51,67.616 78.51,67.068 78.498,67.055 78.219,66.776 78.219,66.395 77.787,65.964 77.787,65.63 78.142,65.274 78.227,65.274 79.087,64.414 79.087,63.922 79.992,63.018 ; 78.571,74.545 78.51,74.485 78.51,73.937 78.498,73.925 78.218,73.646 78.218,73.265 77.787,72.833 77.787,72.499 78.142,72.143 78.227,72.143 79.087,71.283 79.087,70.791 79.992,69.887 ; 78.571,81.432 78.51,81.371 78.51,80.824 78.498,80.811 78.218,80.532 78.218,80.151 77.787,79.719 77.787,79.385 78.142,79.03 78.227,79.03 79.087,78.169 79.087,77.678 79.992,76.773 ; 78.571,88.319 78.51,88.258 78.51,87.711 78.498,87.698 78.218,87.419 78.218,87.038 77.787,86.606 77.787,86.272 78.142,85.916 78.227,85.916 79.087,85.056 79.087,84.564 79.992,83.66 ; 80.56,36.402 80.56,36.372 80.918,36.014 82.268,36.014 82.608,35.674 82.635,35.648 82.635,35.609 ; 80.56,43.289 80.56,43.258 80.918,42.901 82.268,42.901 82.608,42.561 82.635,42.534 82.635,42.495 ; 80.56,50.176 80.56,50.145 80.918,49.788 82.268,49.788 82.608,49.448 82.635,49.421 82.635,49.382 ; 80.56,57.062 80.56,57.032 80.918,56.674 82.268,56.674 82.608,56.334 82.635,56.307 82.635,56.268 ; 80.56,63.949 80.56,63.918 80.918,63.561 82.268,63.561 82.608,63.221 82.635,63.194 82.635,63.155 ; 80.56,70.818 80.56,70.787 80.917,70.43 82.268,70.43 82.608,70.09 82.635,70.063 82.635,70.024 ; 80.56,77.705 80.56,77.674 80.917,77.317 82.268,77.317 82.608,76.977 82.635,76.95 82.635,76.911 ; 80.56,84.591 80.56,84.561 80.917,84.203 82.268,84.203 82.608,83.863 82.635,83.836 82.635,83.797 ; 91.255,30.746 91.628,31.12 91.856,31.12 92.457,31.722 94.211,31.722 94.353,31.864 94.353,33.211 94.87,33.728 95.81,33.728 95.973,33.566 v2@95.973,33.267 ; 91.255,37.633 91.628,38.007 91.856,38.007 92.457,38.608 94.211,38.608 94.353,38.75 94.353,40.098 94.87,40.615 95.81,40.615 95.973,40.452 v2@95.973,40.154 ; 91.255,44.519 91.628,44.893 91.856,44.893 92.457,45.495 94.211,45.495 94.353,45.637 94.353,46.985 94.87,47.501 95.81,47.501 95.973,47.339 v2@95.973,47.04 ; 91.255,51.406 91.628,51.78 91.856,51.78 92.457,52.381 94.211,52.381 94.353,52.523 94.353,53.871 94.87,54.388 95.81,54.388 95.973,54.225 v2@95.973,53.927 ; 91.255,58.292 91.628,58.666 91.856,58.666 92.457,59.268 94.211,59.268 94.353,59.41 94.353,60.758 94.87,61.275 95.81,61.275 95.973,61.112 v2@95.973,60.813 ; 91.255,65.179 91.628,65.553 91.856,65.553 92.457,66.155 94.211,66.155 94.353,66.296 94.353,67.644 94.87,68.161 95.81,68.161 95.973,67.999 v2@95.973,67.7 ; 91.255,72.066 91.628,72.439 91.856,72.439 92.457,73.041 94.211,73.041 94.353,73.183 94.353,74.531 94.87,75.048 95.81,75.048 95.973,74.885 v2@95.973,74.587 ; 91.255,78.952 91.628,79.326 91.856,79.326 92.457,79.928 94.211,79.928 94.353,80.07 94.353,81.418 94.87,81.934 95.81,81.934 95.973,81.772 v2@95.973,81.473 ; 91.255,85.839 91.628,86.213 91.856,86.213 92.457,86.814 94.211,86.814 94.353,86.956 94.353,88.304 94.87,88.821 95.81,88.821 95.973,88.658 v2@95.973,88.36 ; 104.446,34.77 104.385,34.709 104.385,34.162 104.373,34.149 104.094,33.87 104.094,33.489 103.662,33.057 103.662,32.723 104.017,32.367 104.102,32.367 104.962,31.507 104.962,31.015 105.867,30.111 ; 104.446,41.656 104.385,41.596 104.385,41.048 104.373,41.035 104.094,40.756 104.094,40.375 103.662,39.944 103.662,39.61 104.017,39.254 104.102,39.254 104.962,38.394 104.962,37.902 105.867,36.998 ; 104.446,48.543 104.385,48.482 104.385,47.935 104.373,47.922 104.094,47.643 104.094,47.262 103.662,46.83 103.662,46.496 104.017,46.141 104.102,46.141 104.962,45.28 104.962,44.789 105.867,43.884 ; 104.446,55.429 104.385,55.369 104.385,54.821 104.373,54.809 104.094,54.53 104.094,54.149 103.662,53.717 103.662,53.383 104.017,53.027 104.102,53.027 104.962,52.167 104.962,51.675 105.867,50.771 ; 104.446,62.316 104.385,62.255 104.385,61.708 104.373,61.695 104.094,61.416 104.094,61.035 103.662,60.603 103.662,60.269 104.017,59.914 104.102,59.914 104.962,59.053 104.962,58.562 105.867,57.657 ; 104.446,69.203 104.385,69.142 104.385,68.595 104.373,68.582 104.094,68.303 104.094,67.922 103.662,67.49 103.662,67.156 104.017,66.8 104.102,66.8 104.962,65.94 104.962,65.448 105.867,64.544 ; 104.446,76.089 104.385,76.029 104.385,75.481 104.373,75.468 104.094,75.189 104.094,74.808 103.662,74.377 103.662,74.043 104.017,73.687 104.102,73.687 104.962,72.826 104.962,72.335 105.867,71.43 ; 104.446,82.976 104.385,82.915 104.385,82.368 104.373,82.355 104.094,82.076 104.094,81.695 103.662,81.263 103.662,80.929 104.017,80.574 104.102,80.574 104.962,79.713 104.962,79.222 105.867,78.317 ; 104.446,89.862 104.385,89.802 104.385,89.254 104.373,89.242 104.094,88.963 104.094,88.582 103.662,88.15 103.662,87.816 104.017,87.46 104.102,87.46 104.962,86.6 104.962,86.108 105.867,85.204 ; 106.435,31.042 106.435,31.012 106.793,30.654 108.143,30.654 108.483,30.314 108.51,30.287 108.51,30.248 ; 106.435,37.929 106.435,37.898 106.793,37.541 108.143,37.541 108.483,37.201 108.51,37.174 108.51,37.135 ; 106.435,44.815 106.435,44.785 106.793,44.427 108.143,44.427 108.483,44.087 108.51,44.06 108.51,44.022 ; 106.435,51.702 106.435,51.671 106.793,51.314 108.143,51.314 108.483,50.974 108.51,50.947 108.51,50.908 ; 106.435,58.589 106.435,58.558 106.793,58.201 108.143,58.201 108.483,57.86 108.51,57.834 108.51,57.795 ; 106.435,65.475 106.435,65.445 106.793,65.087 108.143,65.087 108.483,64.747 108.51,64.72 108.51,64.681 ; 106.435,72.362 106.435,72.331 106.793,71.974 108.143,71.974 108.483,71.634 108.51,71.607 108.51,71.568 ; 106.435,79.248 106.435,79.218 106.793,78.86 108.143,78.86 108.483,78.52 108.51,78.493 108.51,78.455 ; 106.435,86.135 106.435,86.104 106.793,85.747 108.143,85.747 108.483,85.407 108.51,85.38 108.51,85.341